# Altium PCB RF.PcbDoc (part 1 of 5) (continued)
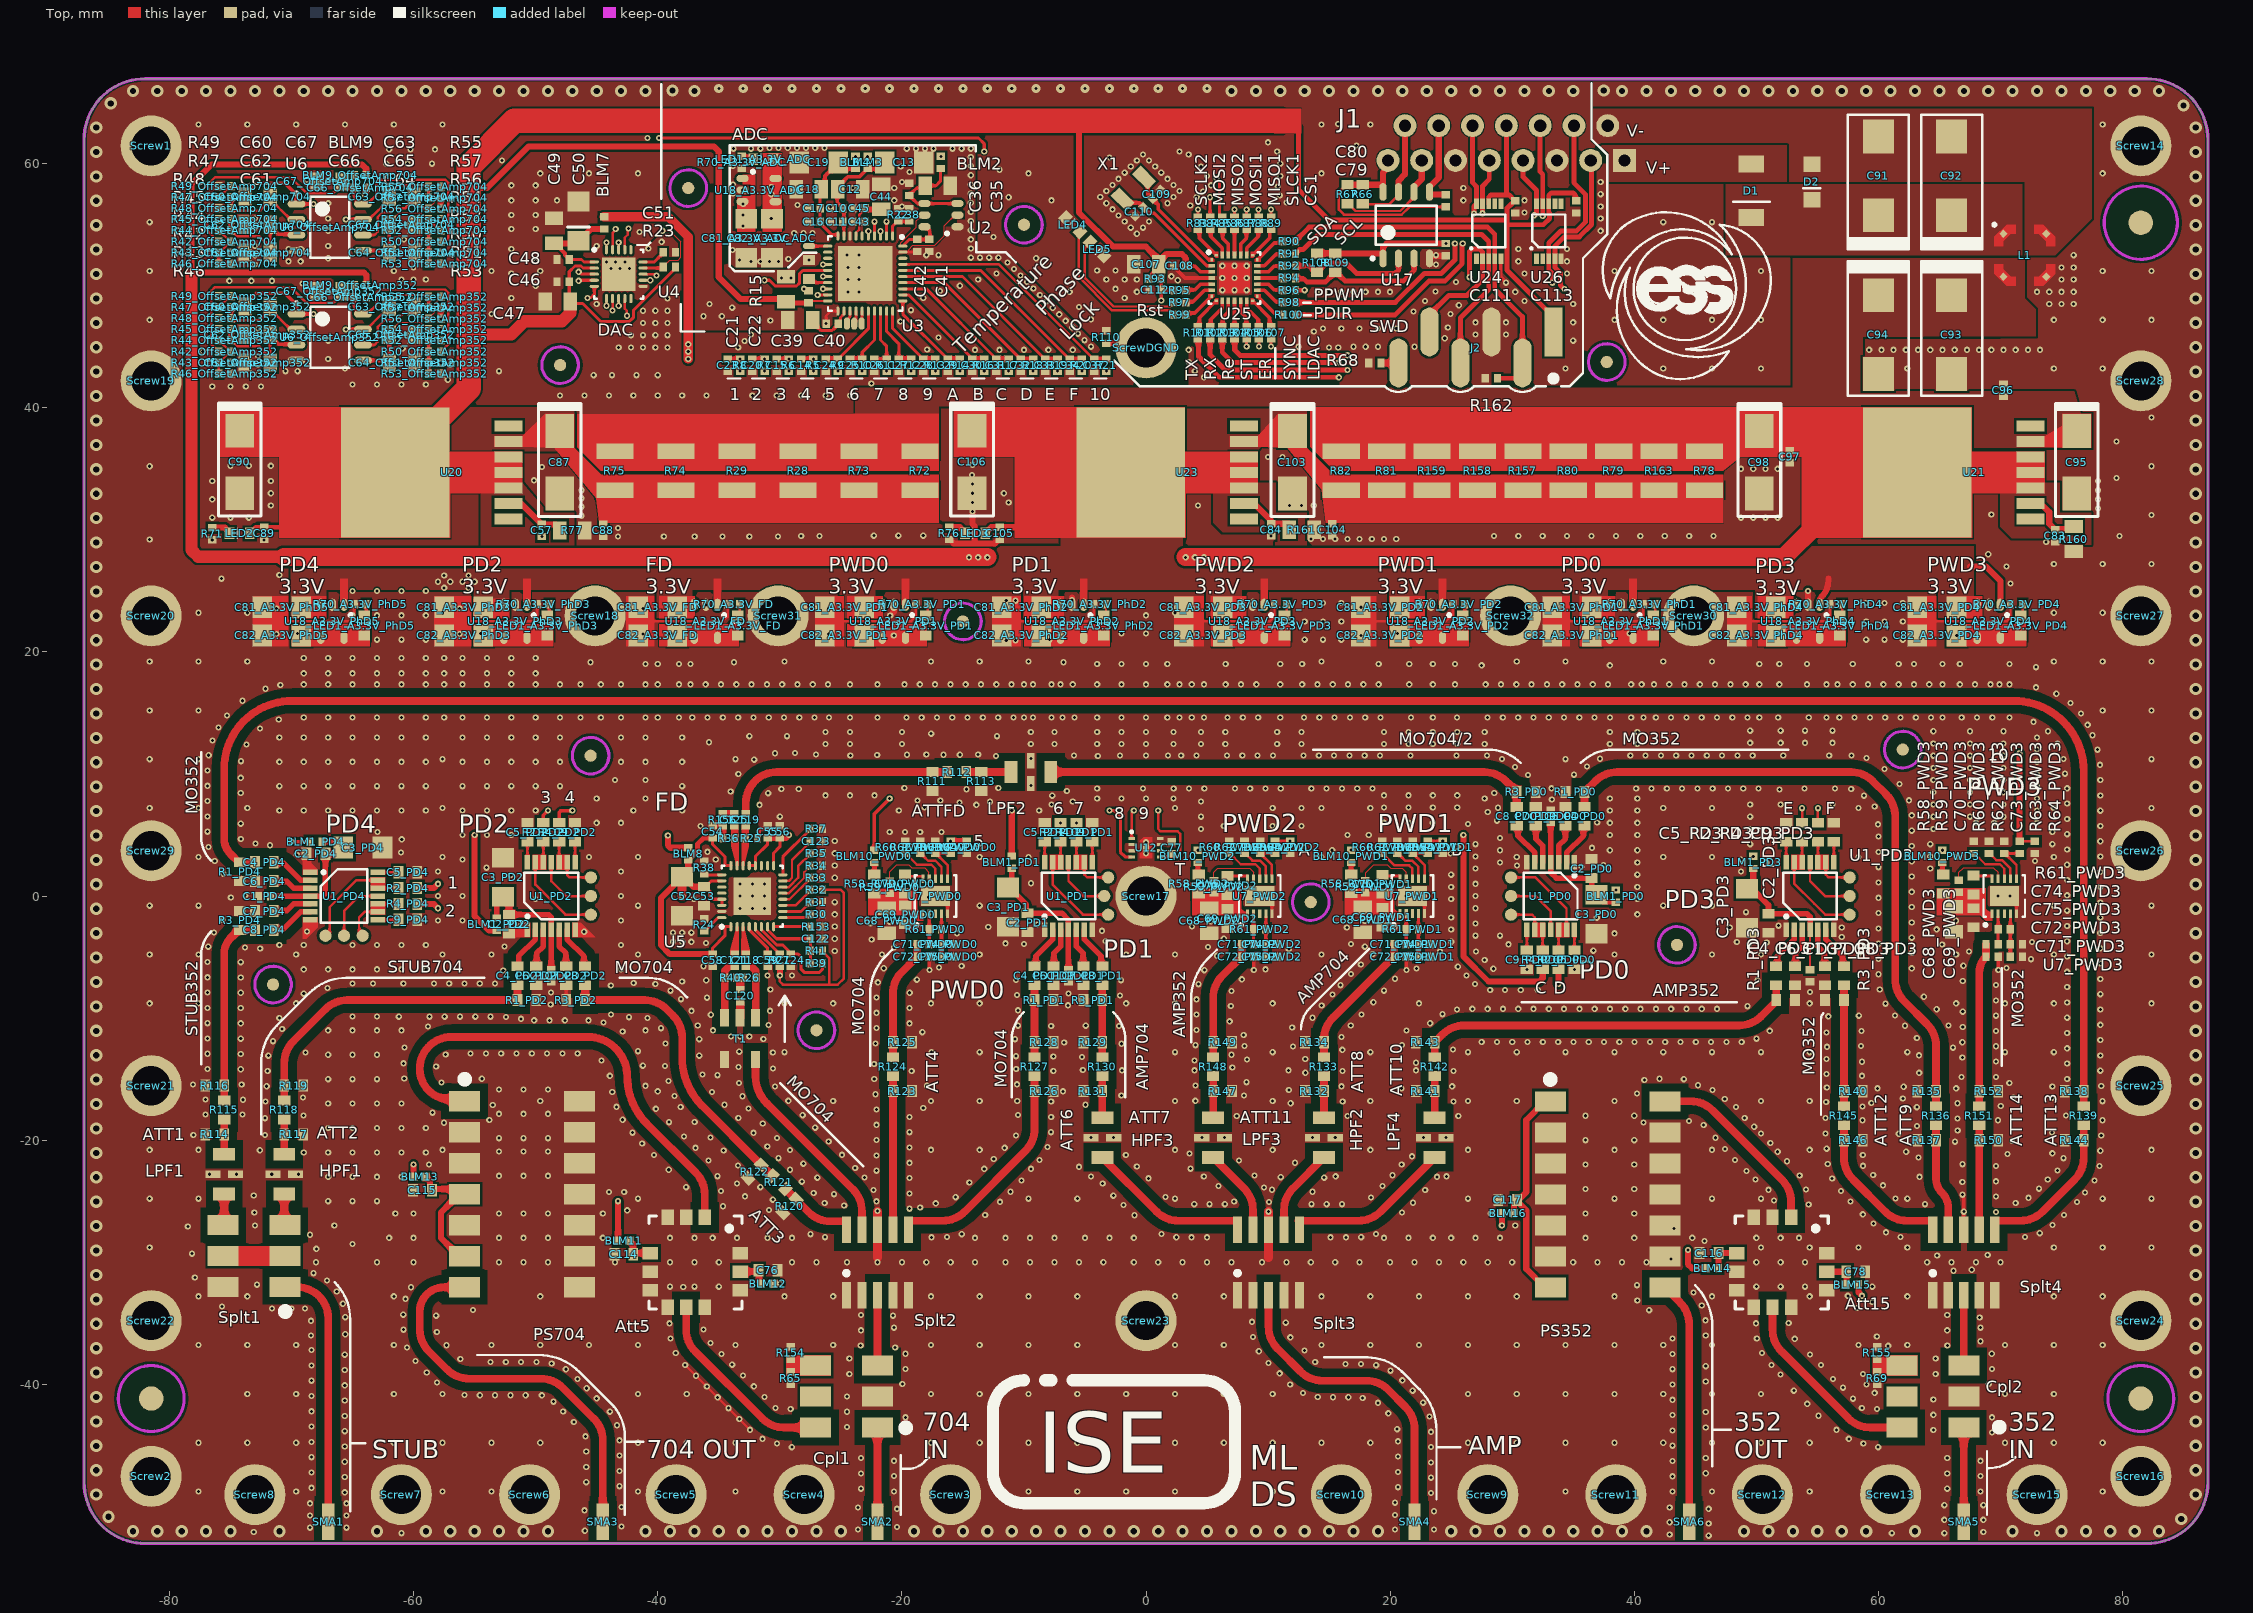
[diagram p0: Top view]
## Components (designator, comment, footprint, x,y, rotation, side; value= is the part's Value field where it differs from the comment) (continued)
C63_OffsetAmp704 "2.2uF" 0805-Capacitor -60.975,57.29 r180 top (schematic designator C63)
C64_OffsetAmp352 "2.2uF" 0805-Capacitor -60.95,43.69 r0 top (schematic designator C64)
C64_OffsetAmp704 "2.2uF" 0805-Capacitor -60.95,52.69 r0 top (schematic designator C64)
C65_OffsetAmp352 "2.2uF" 0805-Capacitor -60.975,45.992 r0 top (schematic designator C65)
C65_OffsetAmp704 "2.2uF" 0805-Capacitor -60.975,54.992 r0 top (schematic designator C65)
C66_OffsetAmp352 "100nF" 0402-Capacitor -64.375,49.04 r0 top (schematic designator C66)
C66_OffsetAmp704 "100nF" 0402-Capacitor -64.375,58.04 r0 top (schematic designator C66)
C67_OffsetAmp352 "1uF" 0805-Capacitor -66.875,49.54 r180 top (schematic designator C67)
C67_OffsetAmp704 "1uF" 0805-Capacitor -66.875,58.54 r180 top (schematic designator C67)
C68_PWD0 "1uF" 0805-Capacitor -21.23,-2.04 r270 top (schematic designator C68)
C68_PWD1 "1uF" 0805-Capacitor 17.77,-1.94 r270 top (schematic designator C68)
C68_PWD2 "1uF" 0805-Capacitor 5.17,-2.04 r270 top (schematic designator C68)
C68_PWD3 "1uF" 0805-Capacitor 66.2,-1.9 r270 top (schematic designator C68)
C69_PWD0 "1n" 0603-Capacitor#1 -19.73,-1.54 r270 top (schematic designator C69)
C69_PWD1 "1n" 0603-Capacitor#1 19.37,-1.74 r270 top (schematic designator C69)
C69_PWD2 "1n" 0603-Capacitor#1 6.67,-1.84 r270 top (schematic designator C69)
C69_PWD3 "1n" 0603-Capacitor#1 67.8,-1.775 r270 top (schematic designator C69)
C70_PWD0 "100n" 0603-Capacitor#1 -19.755,0.99 r90 top (schematic designator C70)
C70_PWD1 "100n" 0603-Capacitor#1 19.37,0.96 r90 top (schematic designator C70)
C70_PWD2 "100n" 0603-Capacitor#1 6.67,0.86 r90 top (schematic designator C70)
C70_PWD3 "100n" 0603-Capacitor#1 67.8,0.9 r90 top (schematic designator C70)
C71_PWD0 "1n" 0402-Capacitor -18.255,-3.96 r0 top (schematic designator C71)
C71_PWD1 "1n" 0402-Capacitor 20.82,-3.955 r0 top (schematic designator C71)
C71_PWD2 "1n" 0402-Capacitor 8.32,-3.96 r0 top (schematic designator C71)
C71_PWD3 "1n" 0402-Capacitor 69.315,-3.96 r0 top (schematic designator C71)
C72_PWD0 "DNP" 0402-Capacitor -18.255,-4.96 r0 top (schematic designator C72)
C72_PWD1 "DNP" 0402-Capacitor 20.82,-4.955 r0 top (schematic designator C72)
C72_PWD2 "DNP" 0402-Capacitor 8.32,-4.96 r0 top (schematic designator C72)
C72_PWD3 "DNP" 0402-Capacitor 69.315,-4.96 r0 top (schematic designator C72)
C73_PWD0 "1n" 0402-Capacitor -17.255,3.99 r90 top (schematic designator C73)
C73_PWD1 "1n" 0402-Capacitor 21.845,3.995 r90 top (schematic designator C73)
C73_PWD2 "1n" 0402-Capacitor 9.345,3.995 r90 top (schematic designator C73)
C73_PWD3 "1n" 0402-Capacitor 70.315,3.99 r90 top (schematic designator C73)
C74_PWD0 "1n" 0402-Capacitor -16.255,-3.96 r0 top (schematic designator C74)
C74_PWD1 "1n" 0402-Capacitor 22.82,-3.955 r0 top (schematic designator C74)
C74_PWD2 "1n" 0402-Capacitor 10.32,-3.96 r0 top (schematic designator C74)
C74_PWD3 "1n" 0402-Capacitor 71.315,-3.96 r0 top (schematic designator C74)
C75_PWD0 "DNP" 0402-Capacitor -16.255,-4.96 r0 top (schematic designator C75)
C75_PWD1 "DNP" 0402-Capacitor 22.82,-4.955 r0 top (schematic designator C75)
C75_PWD2 "DNP" 0402-Capacitor 10.32,-4.96 r0 top (schematic designator C75)
C75_PWD3 "DNP" 0402-Capacitor 71.315,-4.96 r0 top (schematic designator C75)
C76 "100nF" 0603-Capacitor#1 -30.975,-30.65 r0 top
C77 "100n" 0402-Capacitor 2.1,3.96 r270 top
C78 "100nF" 0603-Capacitor#1 58.15,-30.777 r0 top
C79 "100n" 0402-Capacitor 24.575,52.96 r90 top net-tie
C80 "100n" 0402-Capacitor 24.575,56.96 r270 top net-tie
C81_A3.3V_ADC "10uF" 1206-capacitor -32.75,53.9 r270 top (schematic designator C81)
C81_A3.3V_FD "10uF" 1206-capacitor -40,23.66 r180 top (schematic designator C81)
C81_A3.3V_PD1 "10uF" 1206-capacitor -24.7,23.66 r180 top (schematic designator C81)
C81_A3.3V_PD2 "10uF" 1206-capacitor 19.2,23.66 r180 top (schematic designator C81)
C81_A3.3V_PD3 "10uF" 1206-capacitor 4.7,23.66 r180 top (schematic designator C81)
C81_A3.3V_PD4 "10uF" 1206-capacitor 64.8,23.66 r180 top (schematic designator C81)
C81_A3.3V_PhD1 "10uF" 1206-capacitor 34.9,23.66 r180 top (schematic designator C81)
C81_A3.3V_PhD2 "10uF" 1206-capacitor -10.2,23.66 r180 top (schematic designator C81)
C81_A3.3V_PhD3 "10uF" 1206-capacitor -55.9,23.66 r180 top (schematic designator C81)
C81_A3.3V_PhD4 "10uF" 1206-capacitor 50,23.66 r180 top (schematic designator C81)
C81_A3.3V_PhD5 "10uF" 1206-capacitor -70.8,23.66 r180 top (schematic designator C81)
C82_A3.3V_ADC "10uF" 1206-capacitor -30.65,53.9 r270 top (schematic designator C82)
C82_A3.3V_FD "10uF" 1206-capacitor -40,21.36 r180 top (schematic designator C82)
C82_A3.3V_PD1 "10uF" 1206-capacitor -24.7,21.36 r180 top (schematic designator C82)
C82_A3.3V_PD2 "10uF" 1206-capacitor 19.2,21.36 r180 top (schematic designator C82)
C82_A3.3V_PD3 "10uF" 1206-capacitor 4.7,21.36 r180 top (schematic designator C82)
C82_A3.3V_PD4 "10uF" 1206-capacitor 64.8,21.36 r180 top (schematic designator C82)
C82_A3.3V_PhD1 "10uF" 1206-capacitor 34.9,21.36 r180 top (schematic designator C82)
C82_A3.3V_PhD2 "10uF" 1206-capacitor -10.2,21.36 r180 top (schematic designator C82)
C82_A3.3V_PhD3 "10uF" 1206-capacitor -55.9,21.36 r180 top (schematic designator C82)
C82_A3.3V_PhD4 "10uF" 1206-capacitor 50,21.36 r180 top (schematic designator C82)
C82_A3.3V_PhD5 "10uF" 1206-capacitor -70.8,21.36 r180 top (schematic designator C82)
C83 "100n" 0402-Capacitor 74.5,29.5 r90 top
C84 "100n" 0402-Capacitor 10.25,30 r90 top net-tie
C87 "10uF" "2312-6032 Tantalum Capacitor" -48.025,38.11 r270 top
C88 "100n" 0402-Capacitor -44.46,29.95 r90 top net-tie
C89 "100n" 0402-Capacitor -72.25,29.71 r90 top net-tie
C90 "10uF" "2312-6032 Tantalum Capacitor" -74.25,38.12 r270 top
C91 "150µF" "2917-7343  Tantalum Capacitor" 60,59 r90 top
C92 "150µF" "2917-7343  Tantalum Capacitor" 66,59 r90 top
C93 "150µF" "2917-7343  Tantalum Capacitor" 66,46 r270 top
C94 "150µF" "2917-7343  Tantalum Capacitor" 60,46 r270 top
C95 "10uF" "2312-6032 Tantalum Capacitor" 76.25,38.11 r270 top
C96 "100n" 0402-Capacitor 70.25,41.421 r270 top net-tie
C97 "100n" 0402-Capacitor 52.75,36 r90 top net-tie
C98 "10uF" "2312-6032 Tantalum Capacitor" 50.25,38.11 r270 top
C103 "10uF" "2312-6032 Tantalum Capacitor" 12,38.11 r270 top
C104 "100n" 0402-Capacitor 15.25,30 r90 top net-tie
C105 "100n" 0402-Capacitor -12,29.71 r90 top net-tie
C106 "10uF" "2312-6032 Tantalum Capacitor" -14.25,38.12 r270 top
C107 "1uF" 0805-Capacitor 0.025,51.76 r180 top
C108 "100nF" 0402-Capacitor 2.75,51.635 r180 top
C109 "DNP" 0402-Capacitor 0.867,57.487 r225 top value=4pF
C110 "DNP" 0402-Capacitor -0.547,56.072 r45 top value=4pF
C111 "470nF" 0402-Capacitor 30.25,56.46 r270 top
C112 "100nF" 0402-Capacitor 0.75,49.66 r180 top
C113 "470nF" 0402-Capacitor 35.25,56.46 r270 top
C114 "100nF" 0603-Capacitor#1 -42.775,-29.35 r0 top
C115 "100nF" 0603-Capacitor#1 -59.275,-24.1 r180 top
C116 "100nF" 0603-Capacitor#1 46.125,-29.253 r0 top
C117 "100nF" 0603-Capacitor#1 29.625,-24.9 r180 top
C118 "100n" 0402-Capacitor -32.804,-5.25 r270 top
C119 "100n" 0402-Capacitor -32.784,6.25 r270 top
C120 "100n" 0402-Capacitor -33.254,-8.15 r270 top
C121 "100n" 0402-Capacitor -33.704,-5.25 r270 top
C122 "100n" 0402-Capacitor -27,-3.5 r0 top
C123 "100n" 0402-Capacitor -27,4.5 r0 top
C124 "100n" 0402-Capacitor -29.092,-5.25 r270 top
C125 "100n" 0402-Capacitor -33.724,6.25 r270 top
Cpl1 "ADC-20-132+" CD542#1 -22,-43.54 r90 top
Cpl2 "ADC-20-132+" CD542#2 67,-43.54 r90 top
D1 "PMEG6030EVPX" SOD128 49.6,57.787 r270 top
D2 "17.8V" DO-219AB 54.556,59.95 r270 top
HPF1 "HFCN-650" FV1206 -70.6,-24.415 r90 top
HPF2 "HFCN-650" FV1206 14.575,-21.415 r90 top
HPF3 "HFCN-650" FV1206 -3.575,-21.415 r90 top
J1 "D-Sub" AE10105-ND 39.2,60.27 r0 top
J2 "GOLDPIN_1X6" "HDR_1x6 SMD" 33.38,46.21 r180 top
L1 "4.7uH" LPD5030 72,52.5 r0 top
LED1_A3.3V_ADC "Red" LED0603 -31.35,60.375 r180 top (schematic designator LED1)
LED1_A3.3V_FD "Red" LED0603 -33.45,22.16 r90 top (schematic designator LED1)
LED1_A3.3V_PD1 "Red" LED0603 -18.05,22.16 r90 top (schematic designator LED1)
LED1_A3.3V_PD2 "Red" LED0603 25.95,22.16 r90 top (schematic designator LED1)
LED1_A3.3V_PD3 "Red" LED0603 11.35,22.16 r90 top (schematic designator LED1)
LED1_A3.3V_PD4 "Red" LED0603 71.65,22.16 r90 top (schematic designator LED1)
LED1_A3.3V_PhD1 "Red" LED0603 41.55,22.16 r90 top (schematic designator LED1)
LED1_A3.3V_PhD2 "Red" LED0603 -3.45,22.16 r90 top (schematic designator LED1)
LED1_A3.3V_PhD3 "Red" LED0603 -49.05,22.16 r90 top (schematic designator LED1)
LED1_A3.3V_PhD4 "Red" LED0603 56.85,22.16 r90 top (schematic designator LED1)
LED1_A3.3V_PhD5 "Red" LED0603 -64.05,22.16 r90 top (schematic designator LED1)
LED2 "Red" LED0603 -74.25,29.71 r180 top
LED3 "Red" LED0603 -14,29.71 r180 top
LED4 "RED" LED0603 -6,55 r135 top
LED5 "RED" LED0603 -4,53 r315 top
LPF1 "LFCN-400" FV1206 -75.52,-24.415 r90 top
LPF2 "LFCN-400" FV1206 -11.059,10.16 r0 top
LPF3 "LFCN-400" FV1206 5.5,-21.415 r90 top
LPF4 "LFCN-400" FV1206 23.65,-21.415 r90 top
PS352 "JSPHS-42+" BK276 33.125,-16.83 r270 top
PS704 "JSPHS-1000+" BK276 -55.825,-16.81 r270 top
R1_PD0 "52.3r" 0603-RESISTOR#1 35.15,8.525 r0 top (schematic designator R1)
R1_PD1 "52.3r" 0603-RESISTOR#2 -8.35,-8.525 r180 top (schematic designator R1)
R1_PD2 "52.3r" 0603-RESISTOR#1 -50.725,-8.525 r180 top (schematic designator R1)
R1_PD3 "52.3r" 0603-RESISTOR#1 52.4,-8.525 r180 top (schematic designator R1)
R1_PD4 "52.3r" 0603-RESISTOR#1 -74.225,2 r90 top (schematic designator R1)
R2_PD0 "0r" 0603-RESISTOR#1 33.8,-5.225 r90 top (schematic designator R2)
R2_PD1 "0r" 0603-RESISTOR#1 -7,5.225 r270 top (schematic designator R2)
R2_PD2 "0r" 0603-RESISTOR#1 -49.375,5.225 r270 top (schematic designator R2)
R2_PD3 "0r" 0603-RESISTOR#1 53.75,5.225 r270 top (schematic designator R2)
R2_PD4 "0r" 0603-RESISTOR#1 -60.475,0.65 r180 top (schematic designator R2)
R3_PD0 "52.3r" 0603-RESISTOR#1 31.15,8.525 r0 top (schematic designator R3)
R3_PD1 "52.3r" 0603-RESISTOR#1 -4.35,-8.525 r180 top (schematic designator R3)
R3_PD2 "52.3r" 0603-RESISTOR#1 -46.725,-8.525 r180 top (schematic designator R3)
R3_PD3 "52.3r" 0603-RESISTOR#1 56.4,-8.525 r180 top (schematic designator R3)
R3_PD4 "52.3r" 0603-RESISTOR#1 -74.225,-2 r90 top (schematic designator R3)
R4_PD0 "0r" 0603-RESISTOR#1 32.5,-5.225 r90 top (schematic designator R4)
R4_PD1 "0r" 0603-RESISTOR#1 -5.7,5.225 r270 top (schematic designator R4)
R4_PD2 "0r" 0603-RESISTOR#1 -48.075,5.225 r270 top (schematic designator R4)
R4_PD3 "0r" 0603-RESISTOR#1 55.05,5.225 r270 top (schematic designator R4)
R4_PD4 "0r" 0603-RESISTOR#1 -60.475,-0.65 r180 top (schematic designator R4)
R5 "33k" 0402-RESISTOR -27.25,43.5 r90 top
R6 "33k" 0402-RESISTOR -29.25,43.5 r90 top
R7 "33k" 0402-RESISTOR -31.25,43.5 r90 top
R8 "33k" 0402-RESISTOR -33.25,43.5 r90 top
R9 "33k" 0402-RESISTOR -25.25,43.5 r90 top
R10 "33k" 0402-RESISTOR -23.25,43.5 r90 top
R11 "33k" 0402-RESISTOR -21.25,43.5 r90 top
R12 "33k" 0402-RESISTOR -19.25,43.5 r90 top
R13 "33k" 0402-RESISTOR -17.25,43.5 r90 top
R14 "33k" 0402-RESISTOR -15.25,43.5 r90 top
R15 "10k" 0603-RESISTOR#1 -27.6,51.325 r90 top
R16 "33k" 0402-RESISTOR -13.25,43.5 r90 top
R17 "33k" 0402-RESISTOR -11.25,43.5 r90 top
R18 "33k" 0402-RESISTOR -9.25,43.5 r90 top
R19 "33k" 0402-RESISTOR -7.25,43.5 r90 top
R20 "33k" 0402-RESISTOR -5.25,43.5 r90 top
R21 "33k" 0402-RESISTOR -3.25,43.5 r90 top
R22 "0r" 0402-RESISTOR -20.3,55.8 r270 top
R23 "10k" 0402-RESISTOR -39.05,51.535 r180 top
R24 "4.12k" 0402-RESISTOR -36.2,-2.362 r90 top
R25 "200r" 0402-RESISTOR -32.329,4.75 r180 top
R26 "100r" 0402-RESISTOR -32.484,-6.7 r180 top
R27 "4.12k" 0402-RESISTOR -29.996,-5.25 r270 top
R28 "200r" 1210-Resistor -28.505,34.845 r270 top
R29 "200r" 1210-Resistor -33.505,34.845 r270 top
R30 "0r" 0402-RESISTOR -27,-1.5 r0 top
R31 "0r" 0402-RESISTOR -27,-0.5 r0 top
R32 "0r" 0402-RESISTOR -27,0.5 r0 top
R33 "0r" 0402-RESISTOR -27,1.5 r0 top
R34 "0r" 0402-RESISTOR -27,2.5 r0 top
R35 "0r" 0402-RESISTOR -27,3.5 r0 top
R36 "200r" 0402-RESISTOR -34.179,4.75 r180 top
R37 "0r" 0402-RESISTOR -27,5.5 r0 top
R38 "0r" 0402-RESISTOR -36.2,2.338 r90 top
R39 "DNP" 0402-RESISTOR -27,-5.5 r0 top value=0r
R40 "100r" 0402-RESISTOR -34.024,-6.7 r180 top
R41 "DNP" 0402-RESISTOR -27,-4.5 r0 top value=0r
R42_OffsetAmp352 "DNP" 0402-RESISTOR -75.475,44.59 r180 top value=10k (schematic designator R42)
R42_OffsetAmp704 "DNP" 0402-RESISTOR -75.475,53.59 r180 top value=10k (schematic designator R42)
R43_OffsetAmp352 "0r" 0402-RESISTOR -75.475,43.69 r180 top (schematic designator R43)
R43_OffsetAmp704 "0r" 0402-RESISTOR -75.475,52.69 r180 top (schematic designator R43)
R44_OffsetAmp352 "2.4k" 0402-RESISTOR -75.475,45.527 r0 top (schematic designator R44)
R44_OffsetAmp704 "2.4k" 0402-RESISTOR -75.475,54.527 r0 top (schematic designator R44)
R45_OffsetAmp352 "9.1k" 0402-RESISTOR -75.475,46.427 r0 top (schematic designator R45)
R45_OffsetAmp704 "9.1k" 0402-RESISTOR -75.475,55.427 r0 top (schematic designator R45)
R46_OffsetAmp352 "10k" 0402-RESISTOR -75.475,42.79 r180 top (schematic designator R46)
R46_OffsetAmp704 "10k" 0402-RESISTOR -75.475,51.79 r180 top (schematic designator R46)
R47_OffsetAmp352 "9.1k" 0402-RESISTOR -75.475,48.249 r180 top (schematic designator R47)
R47_OffsetAmp704 "9.1k" 0402-RESISTOR -75.475,57.249 r180 top (schematic designator R47)
R48_OffsetAmp352 "2.4k" 0402-RESISTOR -75.475,47.349 r0 top (schematic designator R48)
R48_OffsetAmp704 "2.4k" 0402-RESISTOR -75.475,56.349 r0 top (schematic designator R48)
R49_OffsetAmp352 "10k" 0402-RESISTOR -75.475,49.149 r0 top (schematic designator R49)
R49_OffsetAmp704 "10k" 0402-RESISTOR -75.475,58.149 r0 top (schematic designator R49)
R50_OffsetAmp352 "DNP" 0402-RESISTOR -58.275,44.59 r0 top value=10k (schematic designator R50)
R50_OffsetAmp704 "DNP" 0402-RESISTOR -58.275,53.59 r0 top value=10k (schematic designator R50)
R51_OffsetAmp352 "0r" 0402-RESISTOR -58.275,43.69 r180 top (schematic designator R51)
R51_OffsetAmp704 "0r" 0402-RESISTOR -58.275,52.69 r180 top (schematic designator R51)
R52_OffsetAmp352 "2.4k" 0402-RESISTOR -58.275,45.527 r0 top (schematic designator R52)
R52_OffsetAmp704 "2.4k" 0402-RESISTOR -58.275,54.527 r0 top (schematic designator R52)
R53_OffsetAmp352 "10k" 0402-RESISTOR -58.275,42.79 r180 top (schematic designator R53)
R53_OffsetAmp704 "10k" 0402-RESISTOR -58.275,51.79 r180 top (schematic designator R53)
R54_OffsetAmp352 "9.1k" 0402-RESISTOR -58.275,46.427 r180 top (schematic designator R54)
R54_OffsetAmp704 "9.1k" 0402-RESISTOR -58.275,55.427 r180 top (schematic designator R54)
R55_OffsetAmp352 "9.1k" 0402-RESISTOR -58.275,49.09 r180 top (schematic designator R55)
R55_OffsetAmp704 "9.1k" 0402-RESISTOR -58.275,58.09 r180 top (schematic designator R55)
R56_OffsetAmp352 "2.4k" 0402-RESISTOR -58.275,47.29 r180 top (schematic designator R56)
R56_OffsetAmp704 "2.4k" 0402-RESISTOR -58.275,56.29 r180 top (schematic designator R56)
R57_OffsetAmp352 "10k" 0402-RESISTOR -58.275,48.19 r180 top (schematic designator R57)
R57_OffsetAmp704 "10k" 0402-RESISTOR -58.275,57.19 r180 top (schematic designator R57)
R58_PWD0 "1.5r" 0603-RESISTOR#1 -22.255,0.99 r90 top (schematic designator R58)
R58_PWD1 "1.5r" 0603-RESISTOR#1 16.82,0.995 r90 top (schematic designator R58)
R58_PWD2 "1.5r" 0603-RESISTOR#1 4.32,0.99 r90 top (schematic designator R58)
R58_PWD3 "1.5r" 0603-RESISTOR#1 65.315,0.99 r90 top (schematic designator R58)
R59_PWD0 "0r" 0402-RESISTOR -20.98,0.71 r90 top (schematic designator R59)
R59_PWD1 "0r" 0402-RESISTOR 17.97,0.76 r90 top (schematic designator R59)
R59_PWD2 "0r" 0402-RESISTOR 5.57,0.76 r90 top (schematic designator R59)
R59_PWD3 "0r" 0402-RESISTOR 66.6,0.8 r90 top (schematic designator R59)
R60_PWD0 "0r" 0402-RESISTOR -19.73,3.99 r270 top (schematic designator R60)
R60_PWD1 "0r" 0402-RESISTOR 19.345,3.995 r270 top (schematic designator R60)
R60_PWD2 "0r" 0402-RESISTOR 6.82,3.995 r270 top (schematic designator R60)
R60_PWD3 "0r" 0402-RESISTOR 67.815,3.99 r270 top (schematic designator R60)
R61_PWD0 "68r" 0402-RESISTOR -17.255,-2.71 r0 top (schematic designator R61)
R61_PWD1 "68r" 0402-RESISTOR 21.82,-2.705 r0 top (schematic designator R61)
R61_PWD2 "68r" 0402-RESISTOR 9.32,-2.71 r0 top (schematic designator R61)
R61_PWD3 "68r" 0402-RESISTOR 70.315,-2.71 r0 top (schematic designator R61)
R62_PWD0 "0r" 0402-RESISTOR -18.505,3.99 r270 top (schematic designator R62)
R62_PWD1 "0r" 0402-RESISTOR 20.595,3.995 r270 top (schematic designator R62)
R62_PWD2 "0r" 0402-RESISTOR 8.07,3.995 r270 top (schematic designator R62)
R62_PWD3 "0r" 0402-RESISTOR 69.065,3.99 r270 top (schematic designator R62)
R63_PWD0 "1k" 0402-RESISTOR -16.005,3.99 r90 top (schematic designator R63)
R63_PWD1 "1k" 0402-RESISTOR 23.07,3.995 r90 top (schematic designator R63)
R63_PWD2 "1k" 0402-RESISTOR 10.57,3.995 r90 top (schematic designator R63)
R63_PWD3 "1k" 0402-RESISTOR 71.565,3.99 r90 top (schematic designator R63)
R64_PWD0 "2k" 0402-RESISTOR -14.685,3.99 r270 top (schematic designator R64)
R64_PWD1 "2k" 0402-RESISTOR 24.315,3.99 r270 top (schematic designator R64)
R64_PWD2 "2k" 0402-RESISTOR 11.815,3.99 r270 top (schematic designator R64)
R64_PWD3 "2k" 0402-RESISTOR 72.815,3.99 r270 top (schematic designator R64)
R65 "100r" 0402-RESISTOR -29.107,-39.485 r270 top
R66 "1.5k" 0603-RESISTOR#1 17.75,57.5 r270 top
R67 "1.5k" 0603-RESISTOR#1 16.5,57.5 r270 top
R68 "2k" 0402-RESISTOR 18.75,43.67 r0 top
R69 "100r" 0402-RESISTOR 59.893,-39.485 r270 top
R70_A3.3V_ADC "2k" 0402-RESISTOR -33.1,60.1 r90 top (schematic designator R70)
R70_A3.3V_FD "2k" 0402-RESISTOR -33.775,23.91 r0 top (schematic designator R70)
R70_A3.3V_PD1 "2k" 0402-RESISTOR -18.375,23.91 r0 top (schematic designator R70)
R70_A3.3V_PD2 "2k" 0402-RESISTOR 25.625,23.91 r0 top (schematic designator R70)
R70_A3.3V_PD3 "2k" 0402-RESISTOR 11.025,23.91 r0 top (schematic designator R70)
R70_A3.3V_PD4 "2k" 0402-RESISTOR 71.325,23.91 r0 top (schematic designator R70)
R70_A3.3V_PhD1 "2k" 0402-RESISTOR 41.225,23.91 r0 top (schematic designator R70)
R70_A3.3V_PhD2 "2k" 0402-RESISTOR -3.775,23.91 r0 top (schematic designator R70)
R70_A3.3V_PhD3 "2k" 0402-RESISTOR -49.375,23.91 r0 top (schematic designator R70)
R70_A3.3V_PhD4 "2k" 0402-RESISTOR 56.525,23.91 r0 top (schematic designator R70)
R70_A3.3V_PhD5 "2k" 0402-RESISTOR -64.375,23.91 r0 top (schematic designator R70)
R71 "2k" 0402-RESISTOR -76.5,29.685 r90 top
R72 "200r" 1210-Resistor -18.505,34.845 r270 top
R73 "200r" 1210-Resistor -23.505,34.845 r270 top
R74 "200r" 1210-Resistor -38.505,34.845 r270 top
R75 "200r" 1210-Resistor -43.505,34.845 r270 top
R76 "2k" 0402-RESISTOR -16.125,29.71 r90 top
R77 "66.5k" 0805-Resistor -47,29.95 r180 top
R78 "75r" 1210-Resistor 45.757,34.845 r270 top
R79 "75r" 1210-Resistor 38.318,34.845 r270 top
R80 "75r" 1210-Resistor 34.598,34.845 r270 top
R81 "75r" 1210-Resistor 19.72,34.845 r270 top
R82 "75r" 1210-Resistor 16,34.845 r270 top
R83 "50r" 0402-RESISTOR 4.25,55.135 r270 top
R84 "50r" 0402-RESISTOR 5.275,55.135 r270 top
R85 "50r" 0402-RESISTOR 6.25,55.135 r270 top
R86 "50r" 0402-RESISTOR 7.25,55.135 r270 top
R87 "50r" 0402-RESISTOR 8.25,55.135 r270 top
R88 "50r" 0402-RESISTOR 9.225,55.135 r270 top
R89 "50r" 0402-RESISTOR 10.25,55.135 r270 top
R90 "50r" 0402-RESISTOR 11.75,53.635 r180 top
R91 "50r" 0402-RESISTOR 11.75,52.635 r180 top
R92 "50r" 0402-RESISTOR 11.75,51.635 r180 top
R93 "10k" 0402-RESISTOR 0.75,50.56 r180 top
R94 "50r" 0402-RESISTOR 11.75,50.635 r180 top
R95 "50r" 0402-RESISTOR 2.75,49.635 r180 top
R96 "50r" 0402-RESISTOR 11.75,49.635 r180 top
R97 "1k" 0402-RESISTOR 2.75,48.635 r0 top
R98 "50r" 0402-RESISTOR 11.75,48.635 r180 top
R99 "1k" 0402-RESISTOR 2.75,47.635 r0 top
R100 "50r" 0402-RESISTOR 11.75,47.635 r180 top
R101 "50r" 0402-RESISTOR 4.25,46.135 r90 top
R102 "50r" 0402-RESISTOR 5.25,46.135 r90 top
R103 "50r" 0402-RESISTOR 6.25,46.135 r90 top
R104 "2k" 0402-RESISTOR 7.25,46.135 r90 top
R105 "50r" 0402-RESISTOR 8.25,46.135 r90 top
R106 "50r" 0402-RESISTOR 9.25,46.135 r90 top
R107 "50r" 0402-RESISTOR 10.25,46.135 r90 top
R108 "1.5k" 0603-RESISTOR#1 14,51.875 r270 top
R109 "1.5k" 0603-RESISTOR#1 15.5,51.875 r270 top
R110 "DNP" 0402-RESISTOR -3.25,45.8 r90 top value=0r
R111 "54.9r" 0603-RESISTOR#1 -17.5,9.385 r90 top
R112 "442r" 0603-RESISTOR#1 -15.5,10.16 r0 top
R113 "54.9r" 0603-RESISTOR#1 -13.5,9.385 r90 top
R114 "53.6r" 0603-RESISTOR#1 -76.295,-19.525 r0 top
R115 "590r" 0603-RESISTOR#1 -75.52,-17.525 r90 top
R116 "53.6r" 0603-RESISTOR#1 -76.295,-15.525 r0 top
R117 "54.9r" 0603-RESISTOR#1 -69.825,-19.525 r180 top
R118 "562r" 0603-RESISTOR#1 -70.6,-17.525 r90 top
R119 "54.9r" 0603-RESISTOR#1 -69.825,-15.525 r180 top
R120 "DNP" 0603-RESISTOR#1 -29.198,-25.398 r45 top value=50r
R121 "0r" 0603-RESISTOR#1 -30.084,-23.456 r135 top
R122 "DNP" 0603-RESISTOR#1 -32.058,-22.578 r45 top value=50r
R123 "DNP" 0603-RESISTOR#1 -19.955,-15.975 r180 top value=50r
R124 "0r" 0603-RESISTOR#1 -20.73,-13.975 r90 top
R125 "DNP" 0603-RESISTOR#1 -19.955,-11.975 r180 top value=50r
R126 "DNP" 0603-RESISTOR#1 -8.35,-15.975 r180 top value=50r
R127 "0r" 0603-RESISTOR#1 -9.125,-13.975 r270 top
R128 "DNP" 0603-RESISTOR#1 -8.35,-11.975 r180 top value=50r
R129 "107r" 0603-RESISTOR#1 -4.35,-11.975 r0 top
R130 "56.2r" 0603-RESISTOR#1 -3.575,-13.975 r90 top
R131 "107r" 0603-RESISTOR#1 -4.35,-15.975 r0 top
R132 "130r" 0603-RESISTOR#1 13.8,-15.975 r0 top
R133 "44.2r" 0603-RESISTOR#1 14.575,-13.975 r90 top
R134 "130r" 0603-RESISTOR#1 13.8,-11.975 r0 top
R135 "DNP" 0603-RESISTOR#1 63.955,-16 r0 top value=50r
R136 "0r" 0603-RESISTOR#1 64.73,-18 r90 top
R137 "DNP" 0603-RESISTOR#1 63.955,-20 r0 top value=50r
R138 "DNP" 0603-RESISTOR#1 76.05,-16 r0 top value=50r
R139 "0r" 0603-RESISTOR#1 76.825,-18 r90 top
R140 "DNP" 0603-RESISTOR#1 57.95,-16 r180 top value=50r
R141 "105r" 0603-RESISTOR#1 22.875,-15.975 r0 top
R142 "63.4r" 0603-RESISTOR#1 23.65,-13.975 r90 top
R143 "105r" 0603-RESISTOR#1 22.875,-11.975 r0 top
R144 "DNP" 0603-RESISTOR#1 76.05,-20 r0 top value=392r
R145 "0r" 0603-RESISTOR#1 57.175,-18 r90 top
R146 "DNP" 0603-RESISTOR#1 57.95,-20 r180 top value=50r
R147 "130r" 0603-RESISTOR#1 6.275,-15.975 r180 top
R148 "44.2r" 0603-RESISTOR#1 5.5,-13.975 r90 top
R149 "130r" 0603-RESISTOR#1 6.275,-11.975 r180 top
R150 "DNP" 0603-RESISTOR#1 69.045,-20 r180 top value=50r
R151 "0r" 0603-RESISTOR#1 68.27,-18 r90 top
R152 "DNP" 0603-RESISTOR#1 69.045,-16 r180 top value=50r
R153 "0r" 0402-RESISTOR -27,-2.5 r0 top
R154 "100r" 0402-RESISTOR -29.107,-37.435 r90 top
R155 "100r" 0402-RESISTOR 59.893,-37.435 r90 top
R156 "49.9r" 0402-RESISTOR -34.679,6.25 r90 top
R157 "75r" 1210-Resistor 30.879,34.845 r270 top
R158 "75r" 1210-Resistor 27.159,34.845 r270 top
R159 "75r" 1210-Resistor 23.439,34.845 r270 top
R160 "240k" 0805-Resistor 76,29.25 r90 top
R161 "100k" 0805-Resistor 12.75,30 r180 top
R162 "100k" 0402-RESISTOR 28.3,42.42 r0 top
R163 "75r" 1210-Resistor 42.038,34.845 r270 top
Screw1 "M3" "M3 Screw"#1 -81.5,61.46 r0 top
Screw2 "M3" "M3 Screw"#1 -81.5,-47.54 r0 top
Screw3 "M3" "M3 Screw"#1 -16,-49.04 r90 top
Screw4 "M3" "M3 Screw"#1 -28,-49.04 r90 top
Screw5 "M3" "M3 Screw"#1 -38.5,-49.04 r90 top
Screw6 "M3" "M3 Screw"#1 -50.5,-49.04 r90 top
Screw7 "M3" "M3 Screw"#1 -61,-49.04 r90 top
Screw8 "M3" "M3 Screw"#1 -73,-49.04 r90 top
Screw9 "M3" "M3 Screw"#1 28,-49.04 r90 top
Screw10 "M3" "M3 Screw"#1 16,-49.04 r90 top
Screw11 "M3" "M3 Screw"#1 38.5,-49.04 r90 top
Screw12 "M3" "M3 Screw"#1 50.5,-49.04 r90 top
Screw13 "M3" "M3 Screw"#1 61,-49.04 r90 top
Screw14 "M3" "M3 Screw"#1 81.5,61.46 r0 top
Screw15 "M3" "M3 Screw"#1 73,-49.04 r90 top
Screw16 "M3" "M3 Screw"#1 81.5,-47.54 r0 top
Screw17 "M3" "M3 Screw"#1 0,0 r90 top
Screw18 "M3" "M3 Screw"#1 -45.137,22.96 r90 top
Screw19 "M3" "M3 Screw"#1 -81.5,42.21 r0 top
Screw20 "M3" "M3 Screw"#1 -81.5,22.96 r0 top
Screw21 "M3" "M3 Screw"#1 -81.5,-15.54 r0 top
Screw22 "M3" "M3 Screw"#1 -81.5,-34.79 r0 top
Screw23 "M3" "M3 Screw"#1 0,-34.79 r0 top
Screw24 "M3" "M3 Screw"#1 81.5,-34.79 r0 top
Screw25 "M3" "M3 Screw"#1 81.5,-15.54 r0 top
Screw26 "M3" "M3 Screw"#1 81.5,3.71 r0 top
Screw27 "M3" "M3 Screw"#1 81.5,22.96 r0 top
Screw28 "M3" "M3 Screw"#1 81.5,42.21 r0 top
Screw29 "M3" "M3 Screw"#1 -81.5,3.71 r0 top
Screw30 "M3" "M3 Screw"#1 44.863,22.96 r90 top
Screw31 "M3" "M3 Screw"#1 -30.137,22.96 r90 top
Screw32 "M3" "M3 Screw"#1 29.863,22.96 r90 top
ScrewDGND "M3" "M3 Screw"#2 0,44.9 r0 top
SMA1 "From Stub" MC000242 -67,-51.265 r180 top
SMA2 "FROM MO 704" MC000242 -22,-51.265 r180 top
SMA3 "TO AMP 704" MC000242 -44.5,-51.265 r180 top
SMA4 "From AMP" MC000242 22,-51.265 r180 top
SMA5 "FROM MO352" MC000242 67,-51.265 r180 top
SMA6 "TO AMP352" MC000242 44.5,-51.265 r180 top
Splt1 "ADP-2-9+" CD636 -70.52,-32.04 r90 top
Splt2 "SCA-4-10+" DZ943#1 -24.54,-32.695 r0 top
Splt3 "SCA-4-10+" DZ943#2 7.498,-32.695 r0 top
Splt4 "SCA-4-10+" DZ943#2 64.46,-32.695 r0 top
T1 "MABAES0061" MABAES0061 -33.254,-9.97 r0 top value=1:4
U1_PD0 "AD8302" TSSOP14 35.1,2.775 r180 top (schematic designator U1)
U1_PD1 "AD8302" TSSOP14 -8.3,-2.775 r0 top (schematic designator U1)
U1_PD2 "AD8302" TSSOP14 -50.675,-2.775 r0 top (schematic designator U1)
U1_PD3 "AD8302" TSSOP14 52.45,-2.775 r0 top (schematic designator U1)
U1_PD4 "AD8302" TSSOP14 -68.475,1.95 r270 top (schematic designator U1)
U2 "MAX6071" SOT-23-6 -16.8,55.8 r90 top
U3 "AD7173-8" LFCSP-40 -23,51 r270 top
U4 "AD5676R" LFCSP-20 -43.2,50.95 r0 top
U5 "AD9515" LFCSP-32 -32.254,-0.012 r90 top
U6_OffsetAmp352 "AD8676" SOIC8 -66.875,45.79 r0 top (schematic designator U6)
U6_OffsetAmp704 "AD8676" SOIC8 -66.875,54.79 r0 top (schematic designator U6)
U7_PWD0 "LTC5582" LT-DFN10 -17.255,-0.01 r90 top (schematic designator U7)
U7_PWD1 "LTC5582" LT-DFN10 21.82,-0.005 r90 top (schematic designator U7)
U7_PWD2 "LTC5582" LT-DFN10 9.32,-0.01 r90 top (schematic designator U7)
U7_PWD3 "LTC5582" LT-DFN10 70.315,-0.01 r90 top (schematic designator U7)
U12 "SHT31-ARP" "TDFN-8 SHT3X-ARP" 0,3.96 r0 top
U17 "ISO1540DR" SOIC8 21.325,54.96 r90 top
U18_A3.3V_ADC "3.3V" SOT-23-5 -31.7,57.825 r270 top (schematic designator U18)
U18_A3.3V_FD "3.3V" SOT-23-5 -36.075,22.51 r180 top (schematic designator U18)
U18_A3.3V_PD1 "3.3V" SOT-23-5 -20.675,22.51 r180 top (schematic designator U18)
U18_A3.3V_PD2 "3.3V" SOT-23-5 23.325,22.51 r180 top (schematic designator U18)
U18_A3.3V_PD3 "3.3V" SOT-23-5 8.725,22.51 r180 top (schematic designator U18)
U18_A3.3V_PD4 "3.3V" SOT-23-5 69.025,22.51 r180 top (schematic designator U18)
U18_A3.3V_PhD1 "3.3V" SOT-23-5 38.925,22.51 r180 top (schematic designator U18)
U18_A3.3V_PhD2 "3.3V" SOT-23-5 -6.075,22.51 r180 top (schematic designator U18)
U18_A3.3V_PhD3 "3.3V" SOT-23-5 -51.675,22.51 r180 top (schematic designator U18)
U18_A3.3V_PhD4 "3.3V" SOT-23-5 54.225,22.51 r180 top (schematic designator U18)
U18_A3.3V_PhD5 "3.3V" SOT-23-5 -66.675,22.51 r180 top (schematic designator U18)
U20 "ADJ" D2PAK7 -52.237,30.895 r90 top
U21 "ADJ" D2PAK7 72.471,30.895 r90 top
U23 "ADJ" D2PAK7 8.013,30.895 r90 top
U24 "A-ESD" "MSOP10 3x3mm" 28.075,52.21 r0 top
U25 "STM32G071GBU6" UFQFPN-28 7.25,50.635 r0 top
U26 "A-ESD" "MSOP10 3x3mm" 33,52.21 r0 top
X1 "32.768KHz" 2-SMD-XTAL -1.913,57.085 r45 top

## Footprints (in the part's own frame and the unit in brackets; to place one, negate y for a bottom-side part, rotate by r counter-clockwise, add the part's x,y. Pads: shape width x height; smd on the part's side, far side on the other; paste and mask are expansions set on the pad)
2-SMD-XTAL [mm]
  rect 1x1.8 smd paste+0: 1(0,0) 2(2.5,0)
  body extent -0.35,-0.75 2.85,0.75, height 0.89
0402-Capacitor [mm] "Chip Capacitor, 2-Leads, Body 1,00x0,50mm, IPC Medium Density"
  rect 0.6x0.7 smd paste-0.1: 1(-0.5,0) 2(0.5,0)
  body extent -0.5,-0.3 0.5,0.3, height 0.2
0402-Inductor [mm] "0402 Inductor"
  rect 0.6x0.7 smd paste-0.1: 1(-0.5,0) 2(0.5,0)
  body extent -0.59,-0.28 0.53,0.32, height 0.45
0402-RESISTOR [mm] "Resistor, Capacitor, 2-Leads, Body 1,0x0,5mm, IPC Medium Density"
  rect 0.6x0.7 smd paste-0.1: 1(-0.5,0) 2(0.5,0)
  body extent -0.52,-0.27 0.53,0.28, height 0.4
0603-Capacitor#1 [mm] "Chip Resistor, 2-Leads, Body 1,6x0,8mm, IPC Medium Density"
  rect 0.8x1 smd: 1(-0.775,0) 2(0.775,0)
  body extent -0.8,-0.4 0.8,0.4, height 0.3
0603-Capacitor#2 [mm] "Chip Resistor, 2-Leads, Body 1,6x0,8mm, IPC Medium Density"
  rect 0.8x1 smd mask+0: 1(-0.775,0)
  rect 0.8x1 smd: 2(0.775,0)
  body extent -0.8,-0.4 0.8,0.4, height 0.3
0603-RESISTOR#1 [mm] "Chip Resistor, 2-Leads, Body 1,6x0,8mm, IPC Medium Density"
  rect 0.8x1 smd: 1(-0.775,0) 2(0.775,0)
  body extent -0.85,-0.45 0.85,0.45, height 0.55
0603-RESISTOR#2 [mm] "Chip Resistor, 2-Leads, Body 1,6x0,8mm, IPC Medium Density"
  rect 0.8x1 smd: 1(-0.775,0)
  rect 0.8x1 smd mask+0: 2(0.775,0)
  body extent -0.85,-0.45 0.85,0.45, height 0.55
0805-Capacitor [mm] "Chip Resistor, 2-Leads, Body 2,1x1,3mm, IPC Medium Density"
  rect 1.1x1.5 smd: 1(-1.025,0) 2(1.025,0)
  body extent -1,-0.62 1,0.63, height 0.78
0805-Resistor [mm] "Chip Resistor, 2-Leads, Body 2,1x1,3mm, IPC Medium Density"
  rect 1.1x1.5 smd: 1(-1.025,0) 2(1.025,0)
  body extent -1.05,-0.67 1.05,0.68, height 0.6
1206-cap_tant [mm]
  rect 1.6x1.8 smd: 1(-1.6,0) 2(1.6,0)
  silkscreen extent -0.5,-0.9 -0.5,0.9, body extent -1.6,-0.8 1.6,0.8, height 1.55
1206-capacitor [mm]
  rect 1.6x1.8 smd: 1(-1.6,0) 2(1.6,0)
  body extent -1.6,-0.8 1.6,0.8, height 1.5
1210-Resistor [mm] "Chip Resistor, 2-Leads"
  rect 1.27x3.048 smd: 1(-1.6,0) 2(1.6,0)
  body extent -1.6,-1.25 1.6,1.25, height 0.6
"2312-6032 Tantalum Capacitor" [mm]
  rect 2.77x2.35 smd paste-0.1: +(0,0) -(5.12,0)
  silkscreen extent -2.25,-1.75 7,1.75, body extent -0.59,-1.75 5.71,1.75, height 2.81